# KiCad board 555_ADSR.kicad_pcb
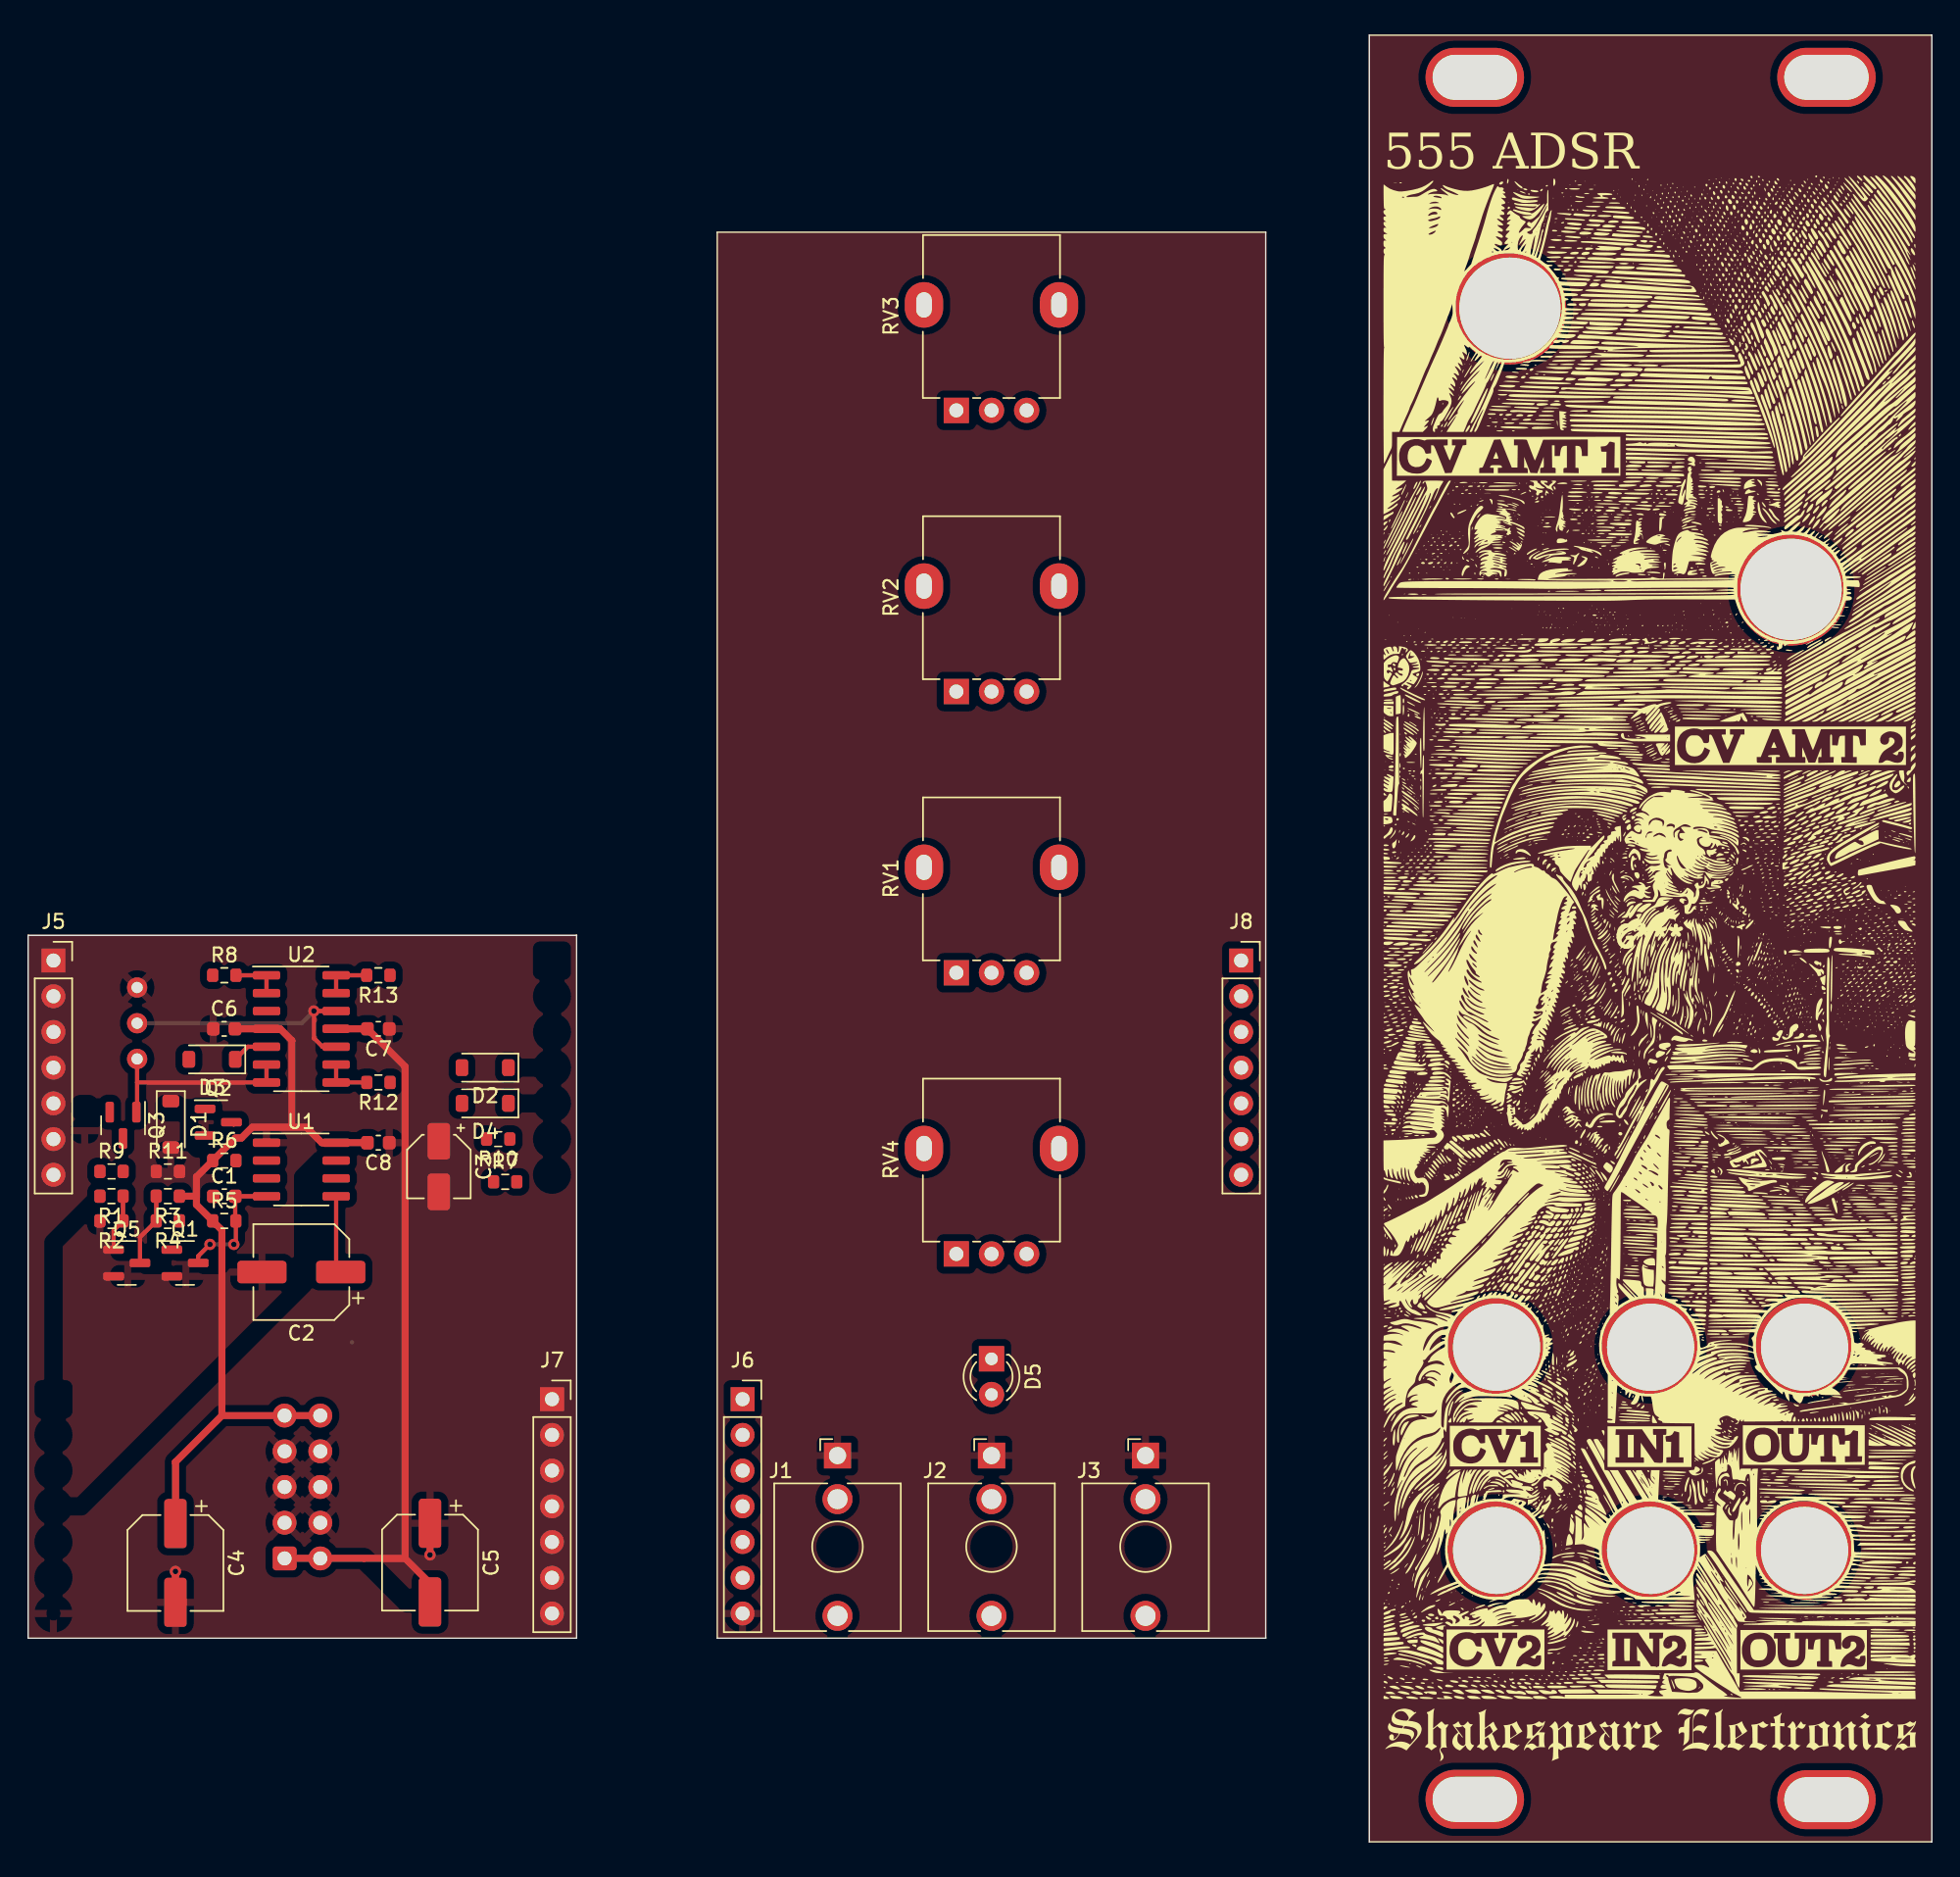
[diagram p0: board, top side]
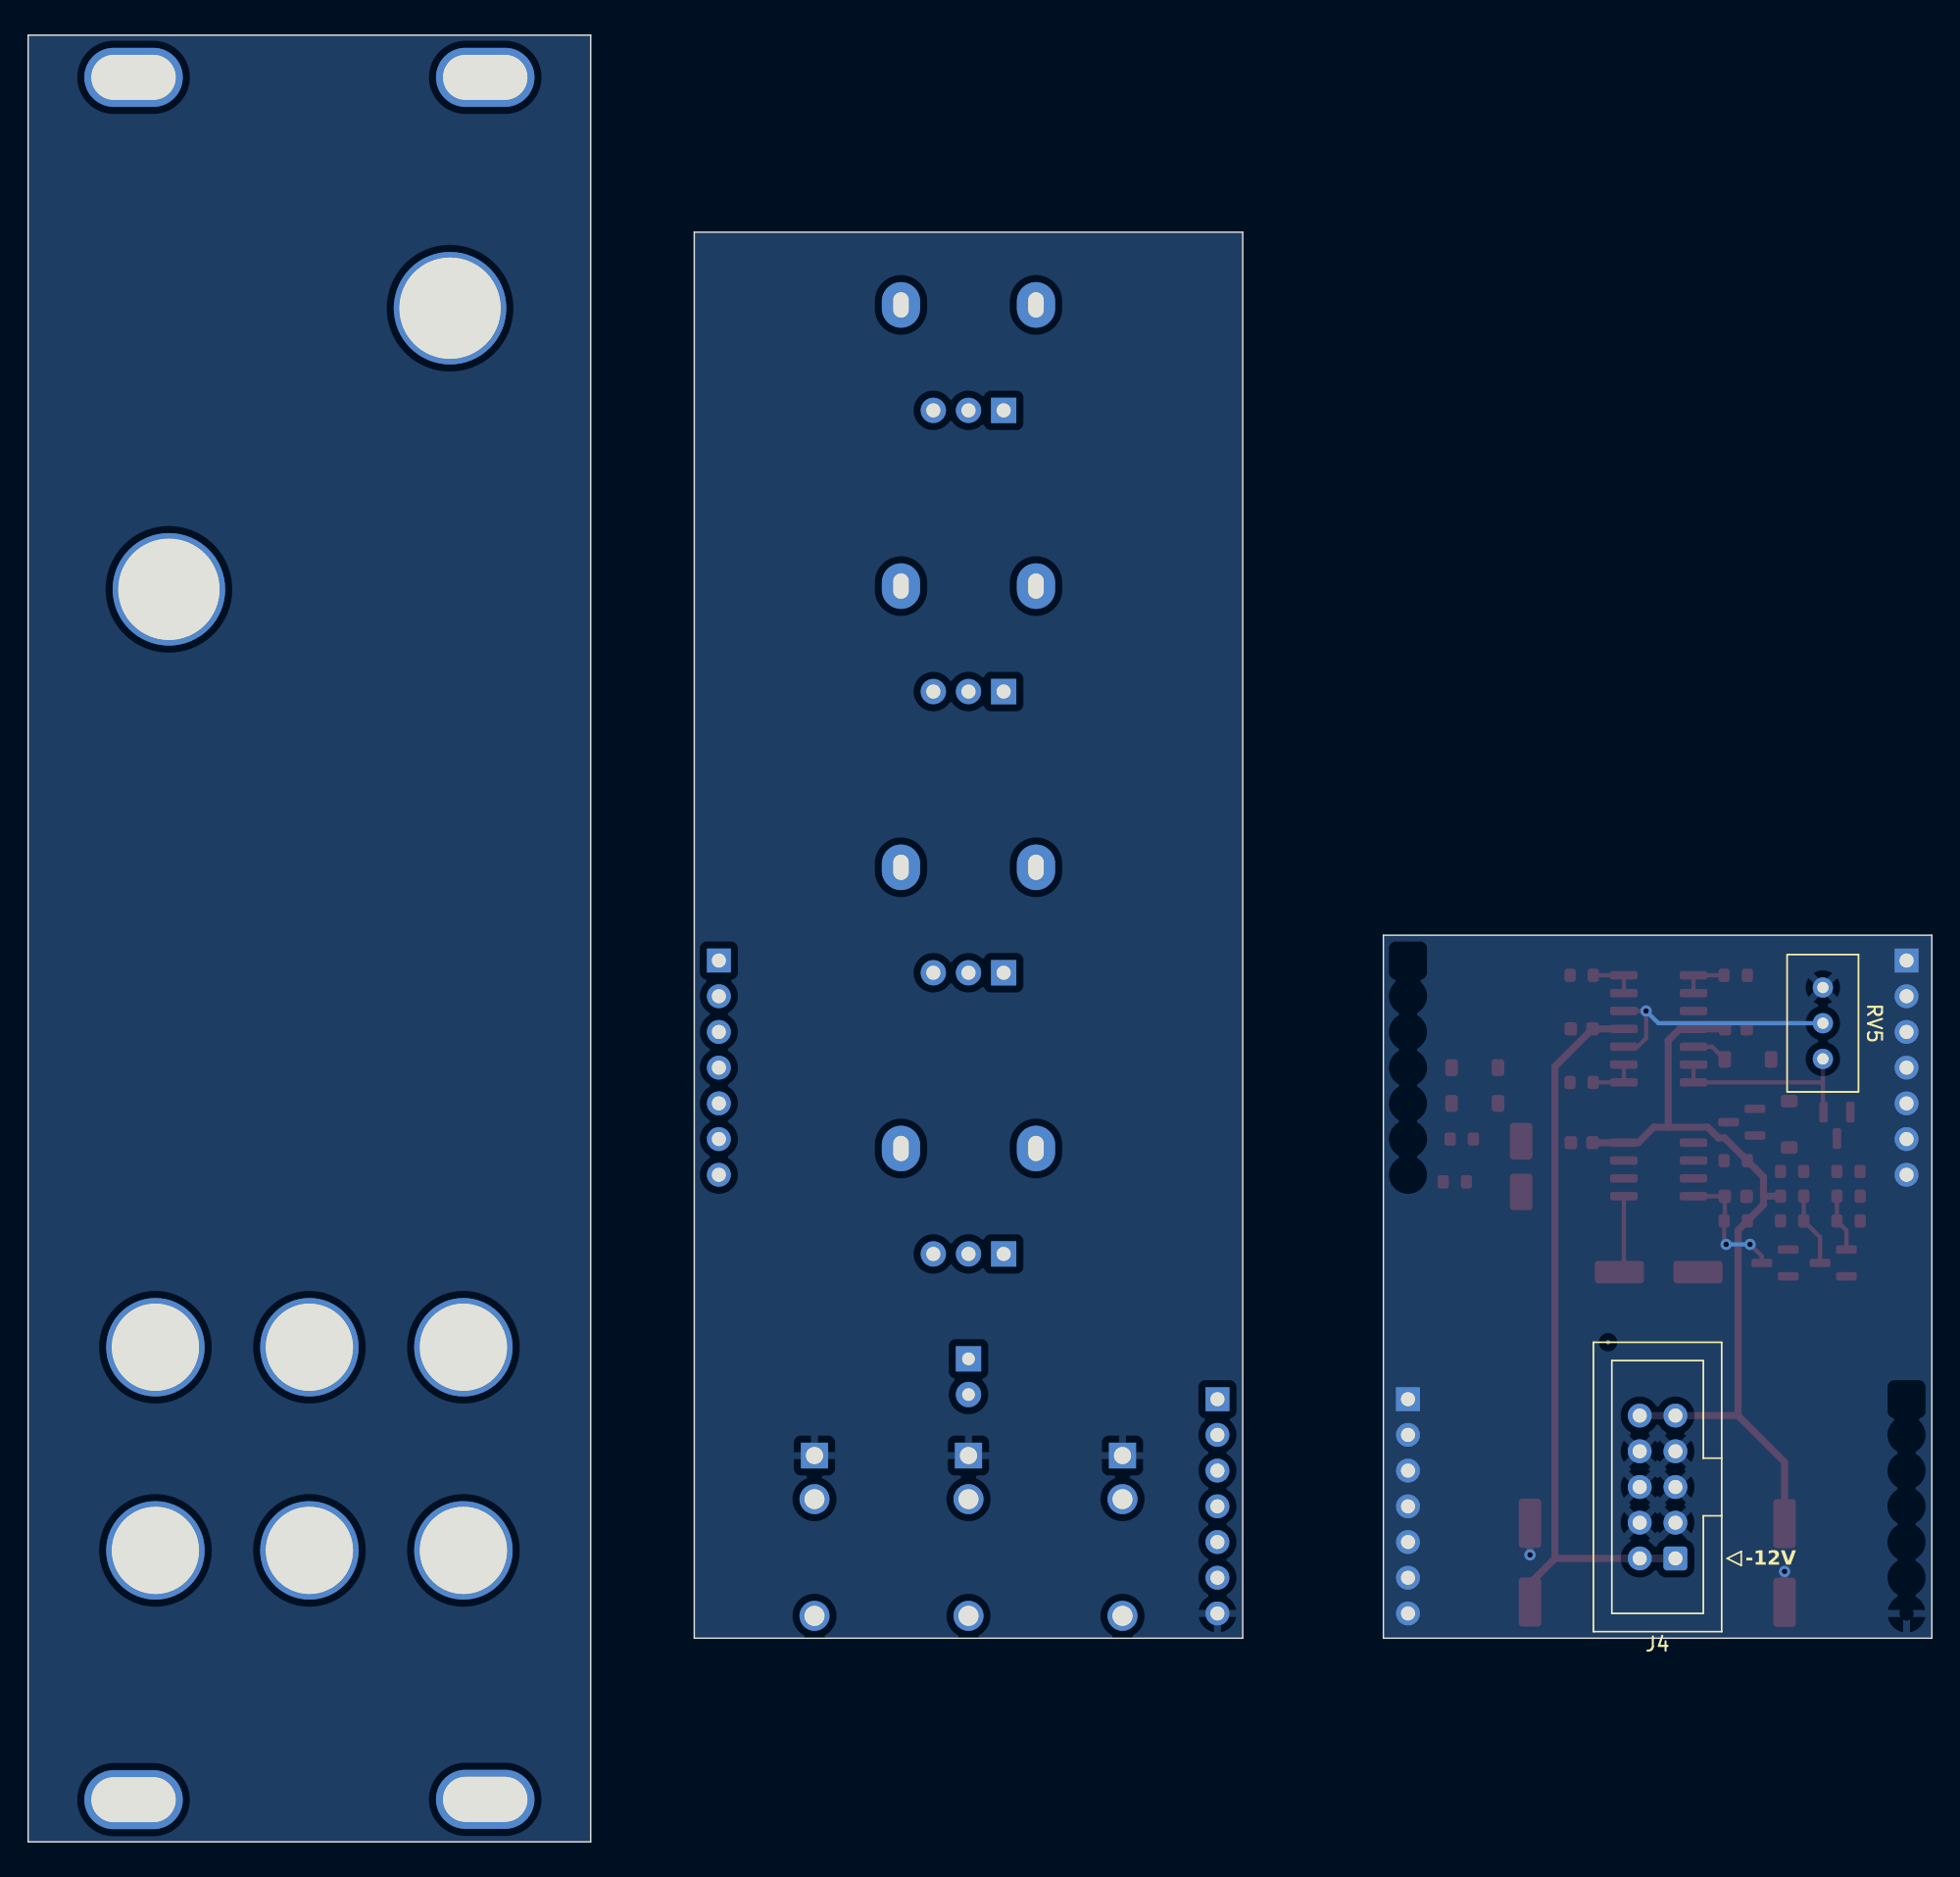
[diagram p1: board, bottom side, seen from below]

Outline 135.36 x 128.5 mm; copper layers: Top, Bottom. Coordinates in mm from the lower left corner of the outline.
Outline path: 0,64.48 0,14.48 39,14.48 39,64.48 0,64.48 ; 49,114.48 49,14.48 88,14.48 88,114.48 49,114.48 ; 95.36,128.5 95.36,0 135.36,0 135.36,128.5 95.36,128.5
Stack: Top 0.035mm / dielectric 1.51mm FR4 er 4.5 / Bottom 0.035mm

## Placement (name value [footprint] x y rotation side)
C1  10nF  [C_0603_1608Metric]  13.95 45.91 0 top
C2  10uF  [CP_Elec_6.3x5.4]  19.43 40.52 180 top
C3  1uF  [CP_Elec_4x5.4]  29.2 48.03 270 top
C4  10uF  [CP_Elec_6.3x5.4]  10.48 19.83 270 top
C5  10uF  [CP_Elec_6.3x5.4]  28.58 19.86 270 top
C6  100nF  [C_0603_1608Metric]  13.94 57.82 0 top
C7  100nF  [C_0603_1608Metric]  24.9 57.82 180 top
C8  100nF  [C_0603_1608Metric]  24.9 49.72 180 top
D1  1N4148  [D_SOD-123]  10.15 51.03 270 top
D2  1N4148  [D_SOD-123]  32.5 55.06 180 top
D3  1N4148  [D_SOD-123]  13.08 55.65 180 top
D4  1N4148  [D_SOD-123]  32.5 52.52 180 top
D5  LED  [LED_D3.0mm]  68.5 34.35 270 top
G***  -  [LOGO]  115.38 7.57 0 top
G***#2  -  [LOGO]  115.27 64.35 0 top
J1  IN  [Jack_3.5mm_QingPu_WQP-PJ398SM_Vertical_CircularHoles]  57.55 27.47 0 top
J2  OUT1  [Jack_3.5mm_QingPu_WQP-PJ398SM_Vertical_CircularHoles]  68.5 27.47 0 top
J3  OUT2  [Jack_3.5mm_QingPu_WQP-PJ398SM_Vertical_CircularHoles]  79.45 27.47 0 top
J4  PWR  [IDC-Header_2x05_P2.54mm_Vertical]  18.24 20.16 0 bottom
J5  Conn1_a  [PinSocket_1x07_P2.54mm_Vertical]  1.8 62.68 0 top
J6  Conn1_b  [PinSocket_1x07_P2.54mm_Vertical]  50.8 31.48 0 top
J7  Conn1_a  [PinSocket_1x07_P2.54mm_Vertical]  37.25 31.48 0 top
J8  Conn1_b  [PinSocket_1x07_P2.54mm_Vertical]  86.25 62.68 0 top
Q1  BC847  [SOT-23]  11.16 41.17 0 top
Q2  BC847  [SOT-23]  13.52 51.18 0 top
Q3  BC847  [SOT-23]  6.75 50.96 270 top
Q5  BC847  [SOT-23]  7.02 41.17 0 top
R1  10k  [R_0603_1608Metric]  5.93 45.92 180 top
R2  100K  [R_0603_1608Metric]  5.93 44.16 180 top
R3  4K7  [R_0603_1608Metric]  9.94 45.92 180 top
R4  10k  [R_0603_1608Metric]  9.94 44.16 180 top
R5  4K7  [R_0603_1608Metric]  13.95 44.16 0 top
R6  4K7  [R_0603_1608Metric]  13.95 48.45 0 top
R7  5K6  [R_0603_1608Metric]  33.92 46.94 0 top
R8  1K  [R_0603_1608Metric]  13.95 61.63 0 top
R9  100  [R_0603_1608Metric]  5.93 47.68 0 top
R10  100  [R_0603_1608Metric]  33.43 49.98 180 top
R11  1K  [R_0603_1608Metric]  9.94 47.68 0 top
R12  1K  [R_0603_1608Metric]  24.91 54.01 180 top
R13  1K  [R_0603_1608Metric]  24.9 61.63 180 top
REF**  -  [PanelHole_Potentiometer_RV09]  122.86 81.59 90 top
REF**#2  -  [PanelHole_AudioJack_3.5mm]  104.41 41.68 0 top
REF**#3  -  [Panel_8HP]  95.36 128.5 0 top
REF**#4  -  [PanelHole_AudioJack_3.5mm]  126.31 41.68 0 top
REF**#5  -  [PanelHole_Potentiometer_RV09]  102.87 101.58 90 top
REF**#6  -  [PanelHole_AudioJack_3.5mm]  104.41 27.23 0 top
REF**#7  -  [PanelHole_AudioJack_3.5mm]  126.31 27.23 0 top
REF**#8  -  [PanelHole_AudioJack_3.5mm]  115.36 41.68 0 top
REF**#9  -  [PanelHole_AudioJack_3.5mm]  115.36 27.23 0 top
RV1  10K  [Potentiometer_Alpha_RD901F-40-00D_Single_Vertical]  66 61.81 90 top
RV2  1M  [Potentiometer_Alpha_RD901F-40-00D_Single_Vertical]  66 81.81 90 top
RV3  1M  [Potentiometer_Alpha_RD901F-40-00D_Single_Vertical]  66 101.81 90 top
RV4  1M  [Potentiometer_Alpha_RD901F-40-00D_Single_Vertical]  66 41.81 90 top
RV5  ??  [Potentiometer_Bourns_3296W_Vertical]  7.75 55.68 270 bottom
U1  ICM7555xB  [SOIC-8_3.9x4.9mm_P1.27mm]  19.43 47.82 0 top
U2  TL074  [SOIC-14_3.9x8.7mm_P1.27mm]  19.43 57.82 0 top

## Library data of the parts
C1 = -: Description: Unpolarized capacitor; LCSC: C100042
C2 C4 C5 = -: LCSC: C5221839
C3 = -: Description: Polarized capacitor; LCSC: C90265
C6-C8 = -: Description: Unpolarized capacitor; LCSC: C1591
D1-D4 = -: Description: 100V 0.15A standard switching diode, DO-35; LCSC: C2099
D5 = -: Description: Light emitting diode
J4 = -: Description: Generic connector, double row, 02x05, odd/even pin numbering scheme (row 1 odd numbers, row 2 even numbers), script generated (kicad-library-utils/schlib/autogen/connector/)
J5-J8 = -: Description: Generic connector, single row, 01x07, script generated
Q1-Q3 Q5 = -: Description: 0.1A Ic, 45V Vce, NPN Transistor, SOT-23; LCSC: C545561
R1 R4 = -: Description: Resistor; LCSC: C25804
R2 = -: Description: Resistor; LCSC: C25803
R3 R5 R6 = -: Description: Resistor; LCSC: C23162
R7 = -: Description: Resistor; LCSC: C23189
R8 R11-R13 = -: Description: Resistor; LCSC: C21190
R9 R10 = -: Description: Resistor; LCSC: C22775
RV1-RV4 = -: Description: Potentiometer
U1 = -: Description: CMOS General Purpose Timer, 555 compatible, SOIC-8
U2 = -: Description: Quad Low-Noise JFET-Input Operational Amplifiers, DIP-14/SOIC-14

## Footprints (pads in the part's own frame, mm; a bottom-side part is the same pattern mirrored in y, then rotated)
C_0603_1608Metric
  rrect 0.9x0.95 smd: 1(-0.775,0) 2(0.775,0)
CP_Elec_4x5.4
  rrect 2.6x1.6 smd: 1(-1.8,0) 2(1.8,0)
CP_Elec_6.3x5.4
  rrect 3.5x1.6 smd: 1(-2.8,0) 2(2.8,0)
D_SOD-123
  rrect 0.9x1.2 smd: 1(-1.65,0) 2(1.65,0)
IDC-Header_2x05_P2.54mm_Vertical
  rrect 1.7x1.7 hole 1: 1(0,0)
  round 1.7 hole 1: 2(2.54,0) 3(0,-2.54) 4(2.54,-2.54) 5(0,-5.08) 6(2.54,-5.08) 7(0,-7.62) 8(2.54,-7.62) 9(0,-10.16) 10(2.54,-10.16)
Jack_3.5mm_QingPu_WQP-PJ398SM_Vertical_CircularHoles
  rect 1.93x1.83 hole 1.22: S(0,0)
  round 2.13 hole 1.43: T(0,-11.4)
  round 2.13 hole 1.42: TN(0,-3.1)
LED_D3.0mm
  rect 1.8x1.8 hole 0.9: 1(0,0)
  round 1.8 hole 0.9: 2(2.54,0)
Panel_8HP
  oval 7x4.2 hole 6x3.2: (7.5,-3) (7.5,-125.476) (32.505,-3) (32.505,-125.5)
PanelHole_AudioJack_3.5mm
  round 7 hole 6.2 unplated: (0,-6.5)
PanelHole_Potentiometer_RV09
  round 8 hole 7.2 unplated: (7.5,-2.49)
PinSocket_1x07_P2.54mm_Vertical
  rect 1.7x1.7 hole 1: 1(0,0)
  oval 1.7x1.7 hole 1: 2(0,-2.54) 3(0,-5.08) 4(0,-7.62) 5(0,-10.16) 6(0,-12.7) 7(0,-15.24)
Potentiometer_Alpha_RD901F-40-00D_Single_Vertical
  oval 3.24x2.72 hole 1.8x1.1: (7.5,2.3) (7.5,-7.3)
  rect 1.8x1.8 hole 1: 1(0,0)
  round 1.8 hole 1: 2(0,-2.5) 3(0,-5)
Potentiometer_Bourns_3296W_Vertical
  round 1.44 hole 0.8: 1(0,0) 2(-2.54,0) 3(-5.08,0)
R_0603_1608Metric
  rrect 0.8x0.95 smd: 1(-0.825,0) 2(0.825,0)
SOIC-8_3.9x4.9mm_P1.27mm
  rrect 1.95x0.6 smd: 1(-2.475,1.905) 2(-2.475,0.635) 3(-2.475,-0.635) 4(-2.475,-1.905) 5(2.475,-1.905) 6(2.475,-0.635) 7(2.475,0.635) 8(2.475,1.905)
SOIC-14_3.9x8.7mm_P1.27mm
  rrect 1.95x0.6 smd: 1(-2.475,3.81) 2(-2.475,2.54) 3(-2.475,1.27) 4(-2.475,0) 5(-2.475,-1.27) 6(-2.475,-2.54) 7(-2.475,-3.81) 8(2.475,-3.81) 9(2.475,-2.54) 10(2.475,-1.27) 11(2.475,0) 12(2.475,1.27) 13(2.475,2.54) 14(2.475,3.81)
SOT-23
  rrect 1.475x0.6 smd: 1(-0.938,0.95) 2(-0.938,-0.95) 3(0.938,0)

## Nets
+12V: C4.1 C6.2 C8.2 D5.2 J4.9 J4.10 R3.1 R5.1 R6.1 R7.1 U1.8 U2.4
-12V: C5.2 C7.2 J4.1 J4.2 U2.11
GND: C2.2 C3.2 C4.2 C5.1 C6.1 C7.1 C8.1 D1.2 J1.S J2.S J3.S J4.3 J4.4 J4.5 J4.6 J4.7 J4.8 J5.7 J6.7 Q1.2 Q2.2 Q5.2 R2.2 R11.2 RV5.3 U1.1
/a1_a: D3.2 J7.1
/a1_b: J8.1 RV3.1
/a3_a: J7.2 R9.1
/a3_b: J8.2 RV3.2 RV3.3
/d1_a: J7.3 J8.3 R8.1 RV2.1
/d3_a: D2.1 J7.4
/d3_b: J8.4 RV2.2 RV2.3
/Discharge: J5.4 U1.7
/in_a: J5.1 R1.2
/in_b: J1.T J6.1
/out1_a: J5.2 R12.1
/out1_b: J2.T J6.2
/out2_a: J5.3 R13.1
/out2_b: J3.T J6.3
/Output: R9.2 U1.3
/r1_a: D4.1 J7.5
/r1_b: J8.5 RV4.1
/r3_a: J7.6 R10.1
/r3_b: J8.6 RV4.2 RV4.3
/Reset: C1.2 Q1.3 R5.2 R10.2 U1.4
/s1_b: J6.4 RV1.1
/s2_a: J5.5 U2.3
/s2_b: J6.5 RV1.2
/s3_a: J5.6 R7.2
/s3_b: J6.6 RV1.3
/Threshold: D2.2 D3.1 U1.6 U2.5
/Trigger: Q2.3 R6.2 U1.2
Net-(D1-K): C1.1 D1.1 Q2.1
Net-(D4-A): C3.1 D4.2
Net-(D5-K): D5.1 Q3.3
Net-(Q1-B): Q1.1 R4.1
Net-(Q3-B): Q3.1 RV5.1 U2.6 U2.7
Net-(Q3-E): Q3.2 R11.1
Net-(Q5-B): Q5.1 R1.1 R2.1
Net-(Q5-C): Q5.3 R3.2 R4.2
Net-(U1-CV): C2.1 U1.5
Net-(U2A--): R8.2 U2.1 U2.2
Net-(U2C-+): RV5.2 U2.10 U2.12
Net-(U2C--): R12.2 U2.8 U2.9
Net-(U2D--): R13.2 U2.13 U2.14

Pads without a net: J1 TN; J2 TN; J3 TN; J7 7; J8 7

## Via types
v1: diameter 0.8, hole 0.4, Top to Bottom, 5 vias

## Routing (per net, layer and track width the routed paths; a pad name or vN(x,y) marks a point on that pad's centre or on a via; arc(x,y) is an arc through that point)
+12V: length 59.6
  Top w0.5: 11.97,45.92 11.97,47.3 14.74,50.06 15.17,50.06 15.94,50.83 18.75,50.83 ; 11.97,45.92 11.97,45.31 R5.1 13.78,43.51 13.78,30.32 ; 11.97,45.92 R3.1 ; 18.75,50.83 19.77,50.83 20.88,49.73 U1.8 24.12,49.73 C8.2 ; 18.75,50.83 18.75,57 17.92,57.82 U2.4 C6.2 ; C4.1 10.48,27.02 13.78,30.32 ; 13.78,30.32 20.78,30.32
-12V: length 53.4
  Top w0.5: U2.11 C7.2 26.8,55.15 26.8,20.16 ; C5.2 28.58,18.38 26.8,20.16 ; J4.1 J4.2 26.8,20.16
GND: length 4.4
  Top w0.5: C4.2 v1(10.48,19.23) ; C5.1 v1(28.58,20.41)
/out1_a: length 0
  Bottom w0.3: 23.03,35.53 23.03,35.53
/Reset: length 9.1
  Top w0.3: U1.4 14.73,45.92 C1.2 14.73,44.21 R5.2 14.77,42.64 v1(14.63,42.49) ; Q1.3 12.09,41.66 v1(12.93,42.49)
  Bottom w0.3: v1(14.63,42.49) v1(12.93,42.49)
/Threshold: length 2.6
  Top w0.3: U2.5 15.63,56.55 D3.1
/Trigger: length 0.2
  Top w0.3: Q2.3 14.62,51.01
Net-(D1-K): length 0.1
  Top w0.3: 12.53,52.18 Q2.1
Net-(Q3-B): length 14.3
  Top w0.3: 7.75,54.01 7.75,51.95 Q3.1 ; 7.75,54.01 U2.7 U2.6 ; 7.75,54.01 RV5.1
Net-(Q5-B): length 4.3
  Top w0.3: R1.1 R2.1 ; R2.1 6.08,43.49 Q5.1 ; R2.1 6.9,44.02
Net-(Q5-C): length 5.2
  Top w0.3: R3.2 R4.2 7.95,43.01 Q5.3
Net-(U1-CV): length 5.5
  Top w0.3: U1.5 21.9,40.85 C2.1
Net-(U2A--): length 3.4
  Top w0.3: R8.2 U2.1 U2.2
Net-(U2C-+): length 18.3
  Top w0.3: U2.10 20.93,56.55 20.32,57.16 v1(20.32,59.09) U2.12
  Bottom w0.3: RV5.2 19.45,58.22 v1(20.32,59.09)
Net-(U2C--): length 3.5
  Top w0.3: U2.9 U2.8 24.09,54.01
Net-(U2D--): length 3.4
  Top w0.3: U2.13 U2.14 R13.2

## Copper pours and planes (outline as drawn; the poured copper is in the pictures)
GND on Top: -0.07,64.56 39.08,64.56 39.08,14.41 -0.07,14.41
GND on Top: 48.94,114.54 88.05,114.54 88.06,14.42 48.94,14.42
GND on Bottom: -0.07,14.41 -0.07,64.56 39.08,64.56 39.08,14.41
GND on Bottom: 48.94,114.54 88.05,114.54 88.06,14.42 48.94,14.42
(no net) on Top: 95.29,128.56 135.43,128.56 135.43,-0.06 95.29,-0.06
(no net) on Bottom: 95.29,128.56 135.43,128.56 135.43,-0.06 95.29,-0.06

## Text on the board
B.Silkscreen: -12V
F.Silkscreen: 555 ADSR
